# Altium PCB Edison_arduino_5_0826.PcbDoc (part 6 of 6)
Units mm, origin at the board's own origin, x right, y up, seen from the top; angles counter-clockwise.
Board outline 122.25 x 72.01 mm, 4 copper layers (TOP, GND, PWR_GND, BOTTOM), stack 1.567 mm thick; 365 components, 239 nets, 1187 pads, 660 vias.
Unrouted connection lines stored in the file: 40.
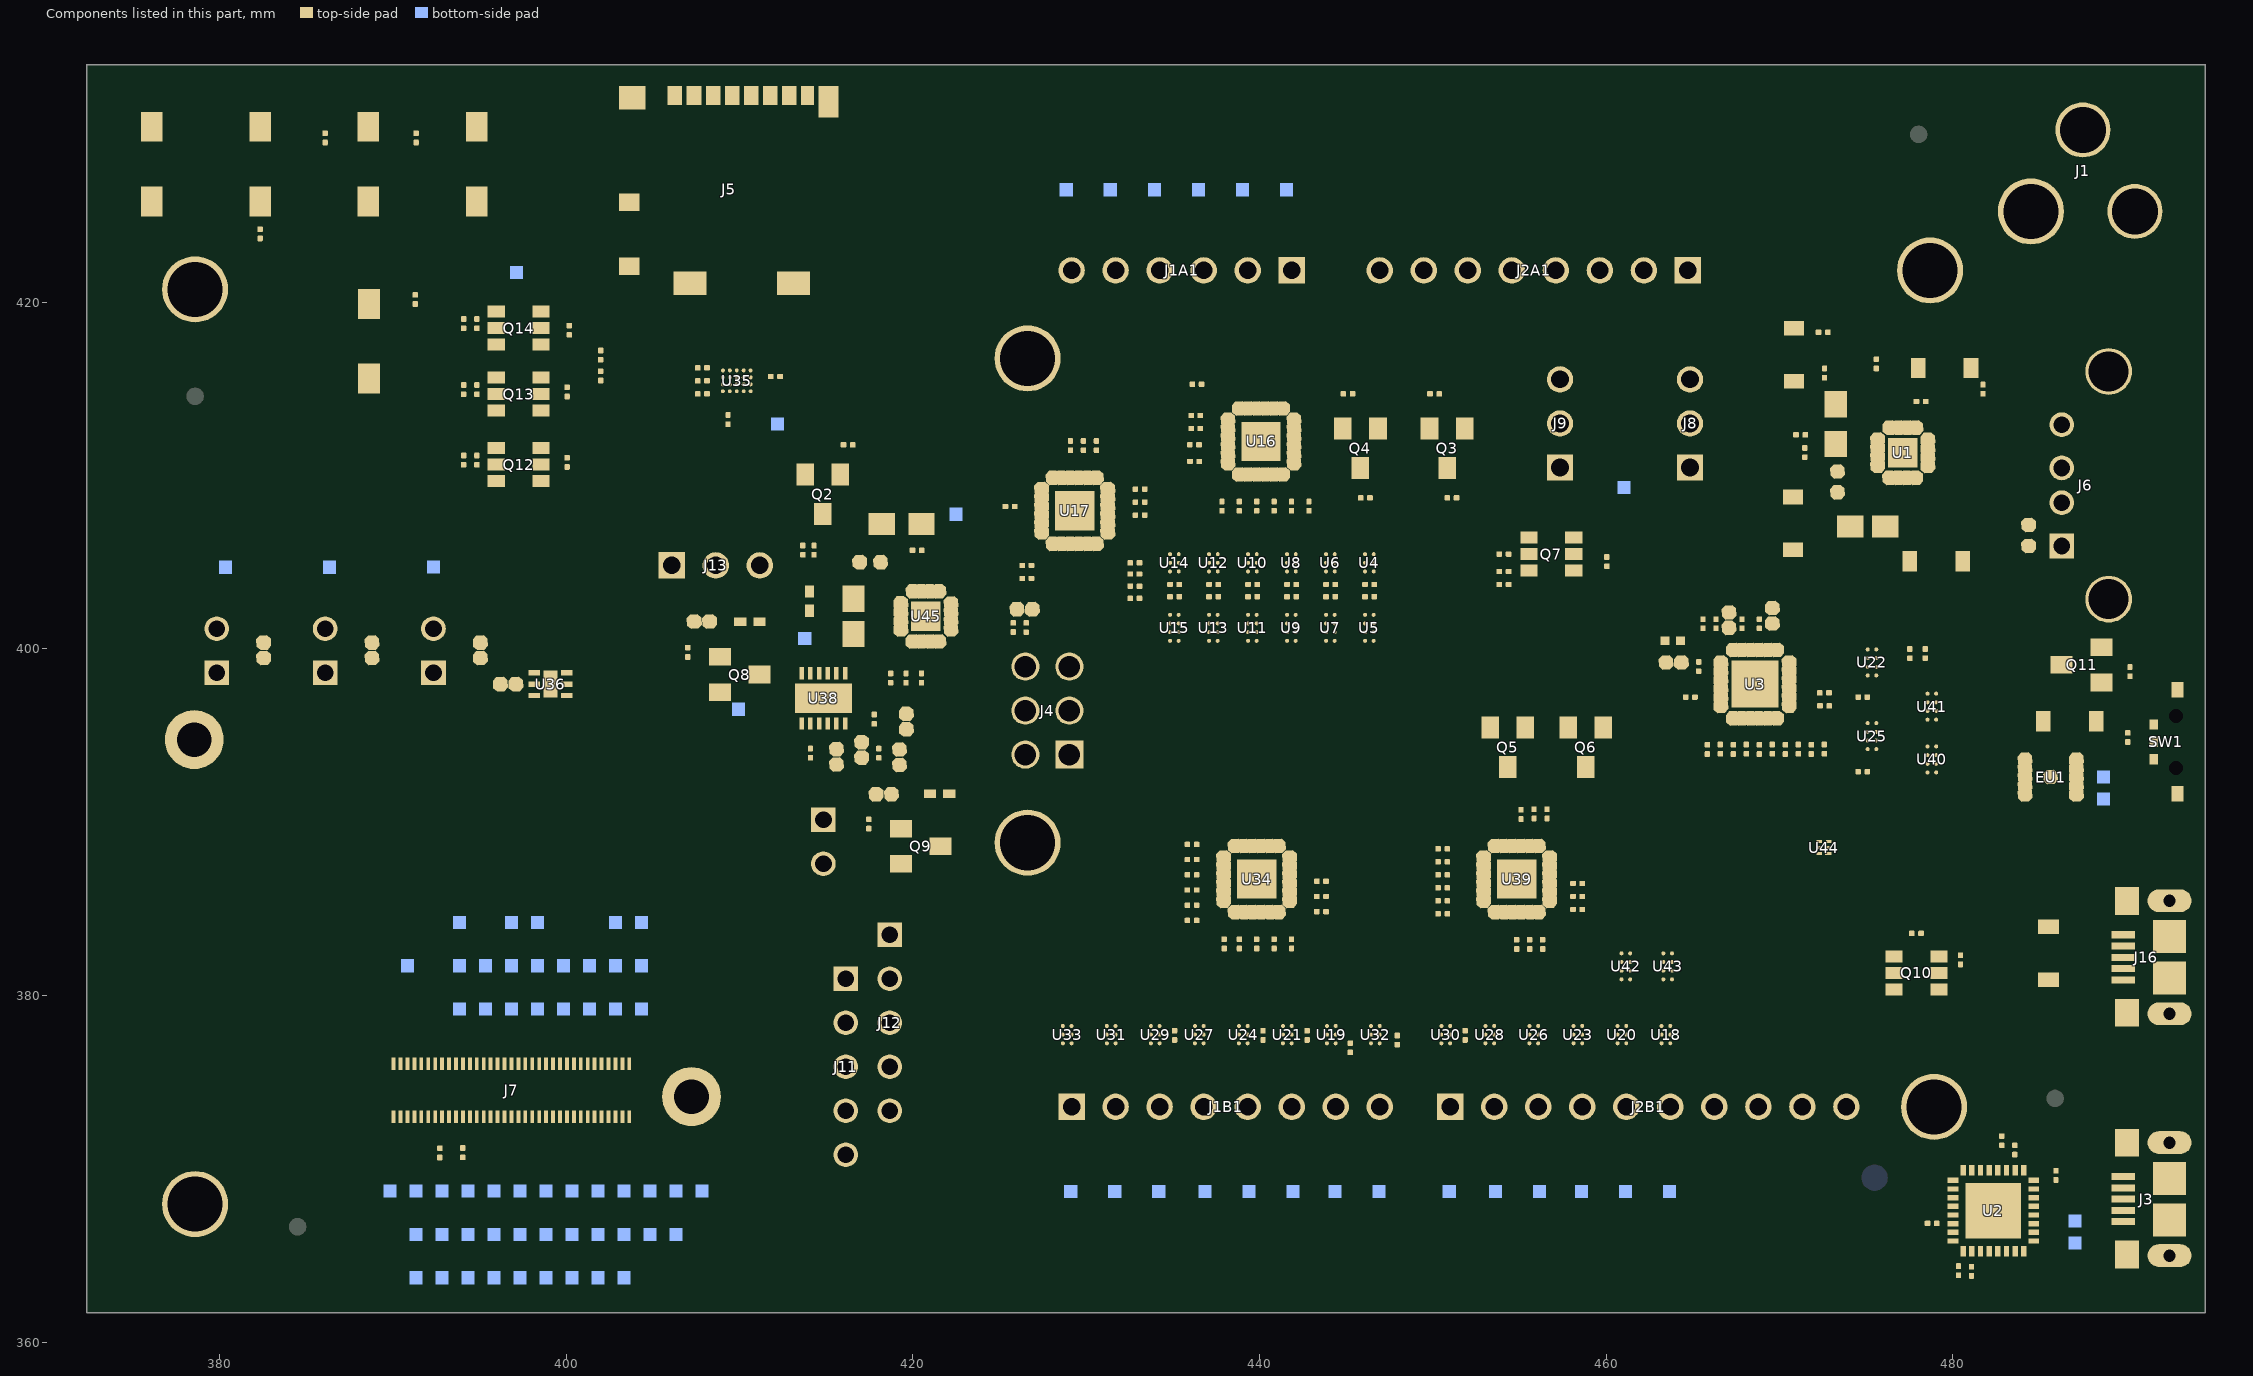
[diagram p8: the components of this part, seen from the top]

## Silkscreen, mask and mechanical layers (free items; w line width, h text height) (continued)
OUTLINE:
  lines w0.025: 395.582,433.53 405.585,433.53 ; 372.339,361.721 372.339,433.705 494.563,433.705 494.563,361.721 372.339,361.721
  lines w0.381: 135.026,332.816 147.726,332.816 ; 135.026,332.816 147.726,332.816 ; 135.026,332.816 147.726,332.816 ; 135.026,472.516 147.726,472.516 ; 135.026,472.516 147.726,472.516 ; 135.026,472.516 147.726,472.516 ; 255.676,53.416 255.676,66.116 ; 255.676,53.416 255.676,66.116 ; 255.676,53.416 255.676,66.116 ; 255.676,599.516 255.676,612.216 ; 255.676,599.516 255.676,612.216 ; 255.676,599.516 255.676,612.216 ; 363.626,53.416 363.626,66.116 ; 363.626,53.416 363.626,66.116 ; 363.626,53.416 363.626,66.116 ; 363.626,599.516 363.626,612.216 ; 363.626,599.516 363.626,612.216 ; 363.626,599.516 363.626,612.216 ; 471.576,53.416 471.576,66.116 ; 471.576,53.416 471.576,66.116 ; 471.576,53.416 471.576,66.116 ; 471.576,599.516 471.576,612.216 ; 471.576,599.516 471.576,612.216 ; 471.576,599.516 471.576,612.216 ; 579.526,53.416 579.526,66.116 ; 579.526,53.416 579.526,66.116 ; 579.526,53.416 579.526,66.116 ; 579.526,599.516 579.526,612.216 ; 579.526,599.516 579.526,612.216 ; 579.526,599.516 579.526,612.216 ; 687.476,53.416 687.476,66.116 ; 687.476,53.416 687.476,66.116 ; 687.476,53.416 687.476,66.116 ; 687.476,599.516 687.476,612.216 ; 687.476,599.516 687.476,612.216 ; 687.476,599.516 687.476,612.216 ; 795.426,53.416 795.426,66.116 ; 795.426,53.416 795.426,66.116 ; 795.426,53.416 795.426,66.116 ; 795.426,599.516 795.426,612.216 ; 795.426,599.516 795.426,612.216 ; 795.426,599.516 795.426,612.216 ; 903.376,53.416 903.376,66.116 ; 903.376,53.416 903.376,66.116 ; 903.376,53.416 903.376,66.116 ; 903.376,599.516 903.376,612.216 ; 903.376,599.516 903.376,612.216 ; 903.376,599.516 903.376,612.216 ; 985.926,193.116 998.626,193.116 ; 985.926,193.116 998.626,193.116 ; 985.926,193.116 998.626,193.116 ; 985.926,332.816 998.626,332.816 ; 985.926,332.816 998.626,332.816 ; 985.926,332.816 998.626,332.816 ; 985.926,472.516 998.626,472.516 ; 985.926,472.516 998.626,472.516 ; 985.926,472.516 998.626,472.516
  lines w1.27: 145.186,331.546 147.726,332.816 ; 145.186,331.546 145.186,334.086 ; 145.186,331.546 147.726,332.816 ; 145.186,331.546 145.186,334.086 ; 145.186,331.546 147.726,332.816 ; 145.186,331.546 145.186,334.086 ; 145.186,334.086 147.726,332.816 ; 145.186,334.086 147.726,332.816 ; 145.186,334.086 147.726,332.816 ; 147.726,66.116 147.726,599.516 ; 147.726,66.116 985.926,66.116 ; 147.726,66.116 147.726,599.516 ; 147.726,66.116 985.926,66.116 ; 147.726,66.116 147.726,599.516 ; 147.726,66.116 985.926,66.116 ; 147.726,575.386 206.146,575.386 ; 147.726,575.386 206.146,575.386 ; 147.726,575.386 206.146,575.386 ; 147.726,599.516 985.926,599.516 ; 147.726,599.516 985.926,599.516 ; 147.726,599.516 985.926,599.516 ; 206.146,575.386 206.146,599.516 ; 206.146,575.386 206.146,599.516 ; 206.146,575.386 206.146,599.516 ; 578.256,63.576 580.796,63.576 ; 578.256,63.576 579.526,66.116 ; 578.256,63.576 580.796,63.576 ; 578.256,63.576 579.526,66.116 ; 578.256,63.576 580.796,63.576 ; 578.256,63.576 579.526,66.116 ; 578.256,602.056 579.526,599.516 ; 578.256,602.056 580.796,602.056 ; 578.256,602.056 579.526,599.516 ; 578.256,602.056 580.796,602.056 ; 578.256,602.056 579.526,599.516 ; 578.256,602.056 580.796,602.056 ; 579.526,66.116 580.796,63.576 ; 579.526,66.116 580.796,63.576 ; 579.526,66.116 580.796,63.576 ; 579.526,599.516 580.796,602.056 ; 579.526,599.516 580.796,602.056 ; 579.526,599.516 580.796,602.056 ; 985.926,66.116 985.926,599.516 ; 985.926,66.116 985.926,599.516 ; 985.926,66.116 985.926,599.516 ; 985.926,332.816 988.466,334.086 ; 985.926,332.816 988.466,331.546 ; 985.926,332.816 988.466,334.086 ; 985.926,332.816 988.466,331.546 ; 985.926,332.816 988.466,334.086 ; 985.926,332.816 988.466,331.546 ; 988.466,331.546 988.466,334.086 ; 988.466,331.546 988.466,334.086 ; 988.466,331.546 988.466,334.086
  text "8" at 194.208,603.326 h4.44
  text "8" at 194.208,603.326 h4.44
  text "8" at 194.208,603.326 h4.44
  text "7" at 307.238,603.326 h4.44
  text "7" at 307.238,603.326 h4.44
  text "7" at 307.238,603.326 h4.44
  text "6" at 416.458,603.326 h4.44
  text "6" at 416.458,603.326 h4.44
  text "6" at 416.458,603.326 h4.44
  text "5" at 524.408,603.326 h4.44
  text "5" at 524.408,603.326 h4.44
  text "5" at 524.408,603.326 h4.44
  text "4" at 633.628,603.326 h4.44
  text "4" at 633.628,603.326 h4.44
  text "4" at 633.628,603.326 h4.44
  text "3" at 740.308,603.326 h4.44
  text "3" at 740.308,603.326 h4.44
  text "3" at 740.308,603.326 h4.44
  text "2" at 849.528,603.326 h4.44
  text "2" at 849.528,603.326 h4.44
  text "2" at 849.528,603.326 h4.44
  text "1" at 944.778,603.326 h4.44
  text "1" at 944.778,603.326 h4.44
  text "1" at 944.778,603.326 h4.44
  text "THIS DRAWING CONTAINS INFORMATION" at 148.996,596.341 h1.6
  text "THIS DRAWING CONTAINS INFORMATION" at 148.996,596.341 h1.6
  text "THIS DRAWING CONTAINS INFORMATION" at 148.996,596.341 h1.6
  text "WHICH IS THE PROPRIETARY PROPERTY" at 148.996,593.166 h1.6
  text "WHICH IS THE PROPRIETARY PROPERTY" at 148.996,593.166 h1.6
  text "WHICH IS THE PROPRIETARY PROPERTY" at 148.996,593.166 h1.6
  text "OF INTEL CORPORATION. THIS DRAWING" at 148.996,589.991 h1.6
  text "OF INTEL CORPORATION. THIS DRAWING" at 148.996,589.991 h1.6
  text "OF INTEL CORPORATION. THIS DRAWING" at 148.996,589.991 h1.6
  text "IS RECEIVED IN CONFIDENCE AND ITS" at 148.996,586.816 h1.6
  text "IS RECEIVED IN CONFIDENCE AND ITS" at 148.996,586.816 h1.6
  text "IS RECEIVED IN CONFIDENCE AND ITS" at 148.996,586.816 h1.6
  text "CONTENTS MAY NOT BE DISCLOSED WITH-" at 148.996,583.641 h1.6
  text "CONTENTS MAY NOT BE DISCLOSED WITH-" at 148.996,583.641 h1.6
  text "CONTENTS MAY NOT BE DISCLOSED WITH-" at 148.996,583.641 h1.6
  text "OUT THE PRIOR WRITTEN CONSENT OF" at 148.996,580.466 h1.6
  text "OUT THE PRIOR WRITTEN CONSENT OF" at 148.996,580.466 h1.6
  text "OUT THE PRIOR WRITTEN CONSENT OF" at 148.996,580.466 h1.6
  text "INTEL CORPORATION." at 148.996,577.291 h1.6
  text "INTEL CORPORATION." at 148.996,577.291 h1.6
  text "INTEL CORPORATION." at 148.996,577.291 h1.6
  text "D" at 139.598,536.016 h4.44
  text "D" at 139.598,536.016 h4.44
  text "D" at 139.598,536.016 h4.44
  text "D" at 990.498,536.016 h4.44
  text "D" at 990.498,536.016 h4.44
  text "D" at 990.498,536.016 h4.44
  text "C" at 139.598,398.856 h4.44
  text "C" at 139.598,398.856 h4.44
  text "C" at 139.598,398.856 h4.44
  text "C" at 990.498,398.856 h4.44
  text "C" at 990.498,398.856 h4.44
  text "C" at 990.498,398.856 h4.44
  text "B" at 139.598,261.696 h4.44
  text "B" at 139.598,261.696 h4.44
  text "B" at 139.598,261.696 h4.44
  text "B" at 990.498,261.696 h4.44
  text "B" at 990.498,261.696 h4.44
  text "B" at 990.498,261.696 h4.44
  text "A" at 139.598,125.806 h4.44
  text "A" at 139.598,125.806 h4.44
  text "A" at 139.598,125.806 h4.44
  text "A" at 990.498,125.806 h4.44
  text "A" at 990.498,125.806 h4.44
  text "A" at 990.498,125.806 h4.44
  text "8" at 194.208,58.496 h4.44
  text "8" at 194.208,58.496 h4.44
  text "8" at 194.208,58.496 h4.44
  text "7" at 307.238,58.496 h4.44
  text "7" at 307.238,58.496 h4.44
  text "7" at 307.238,58.496 h4.44
  text "6" at 416.458,58.496 h4.44
  text "6" at 416.458,58.496 h4.44
  text "6" at 416.458,58.496 h4.44
  text "5" at 524.408,58.496 h4.44
  text "5" at 524.408,58.496 h4.44
  text "5" at 524.408,58.496 h4.44
  text "4" at 633.628,58.496 h4.44
  text "4" at 633.628,58.496 h4.44
  text "4" at 633.628,58.496 h4.44
  text "3" at 740.308,58.496 h4.44
  text "3" at 740.308,58.496 h4.44
  text "3" at 740.308,58.496 h4.44
  text "2" at 849.528,58.496 h4.44
  text "2" at 849.528,58.496 h4.44
  text "2" at 849.528,58.496 h4.44
  text "1" at 944.778,58.496 h4.44
  text "1" at 944.778,58.496 h4.44
  text "1" at 944.778,58.496 h4.44
STACKUP:
  lines w0.025: 530.917,494.384 562.794,494.384 ; 531.044,470.381 562.921,470.381 ; 532.797,485.824 532.797,486.282 532.822,494.384 ; 532.804,478.636 532.804,470.407 ; 552.926,457.186 579.85,457.186 ; 532.804,470.407 533.566,472.947 532.042,472.947 532.804,470.407 ; 532.822,494.384 532.06,491.844 533.584,491.844 532.822,494.384
  lines w0.152: 555.047,475.576 561.905,475.576 ; 555.047,482.446 561.905,482.446 ; 555.047,489.304 561.905,489.304 ; 563.429,474.687 563.937,475.703 ; 563.429,481.557 563.937,482.573 ; 563.429,488.415 563.937,489.431 ; 563.683,477.239 563.683,480.668 ; 564.064,476.084 564.572,477.227 ; 564.064,482.954 564.572,484.097 ; 564.064,489.812 564.572,490.955 ; 564.318,473.798 565.715,477.227 ; 564.318,480.668 565.715,484.097 ; 564.318,487.526 565.715,490.955 ; 565.588,473.798 566.985,477.227 ; 565.588,480.668 566.985,484.097 ; 565.588,487.526 566.985,490.955 ; 566.858,473.798 568.255,477.227 ; 566.858,480.668 568.255,484.097 ; 566.858,487.526 568.255,490.955 ; 568.128,473.798 569.525,477.227 ; 568.128,480.668 569.525,484.097 ; 568.128,487.526 569.525,490.955 ; 569.398,473.798 570.795,477.227 ; 569.398,480.668 570.795,484.097 ; 569.398,487.526 570.795,490.955 ; 570.668,473.798 572.065,477.227 ; 570.668,480.668 572.065,484.097 ; 570.668,487.526 572.065,490.955 ; 571.938,473.798 573.335,477.227 ; 571.938,480.668 573.335,484.097 ; 571.938,487.526 573.335,490.955 ; 573.208,473.798 574.605,477.227 ; 573.208,480.668 574.605,484.097 ; 573.208,487.526 574.605,490.955 ; 574.478,473.798 575.875,477.227 ; 574.478,480.668 575.875,484.097 ; 574.478,487.526 575.875,490.955 ; 575.748,473.798 577.145,477.227 ; 575.748,480.668 577.145,484.097 ; 575.748,487.526 577.145,490.955 ; 577.018,473.798 578.415,477.227 ; 577.018,480.668 578.415,484.097 ; 577.018,487.526 578.415,490.955 ; 578.288,473.798 579.685,477.227 ; 578.288,480.668 579.685,484.097 ; 578.288,487.526 579.685,490.955 ; 579.558,473.798 580.955,477.227 ; 579.558,480.668 580.955,484.097 ; 579.558,487.526 580.955,490.955 ; 580.828,473.798 582.225,477.227 ; 580.828,480.668 582.225,484.097 ; 580.828,487.526 582.225,490.955 ; 582.098,473.798 583.495,477.227 ; 582.098,480.668 583.495,484.097 ; 582.098,487.526 583.495,490.955 ; 583.368,473.798 584.765,477.227 ; 583.368,480.668 584.765,484.097 ; 583.368,487.526 584.765,490.955 ; 584.638,473.798 586.035,477.227 ; 584.638,480.668 586.035,484.097 ; 584.638,487.526 586.035,490.955 ; 585.908,473.798 587.305,477.227 ; 585.908,480.668 587.305,484.097 ; 585.908,487.526 587.305,490.955 ; 587.178,473.798 588.575,477.227 ; 587.178,480.668 588.575,484.097 ; 587.178,487.526 588.575,490.955 ; 588.448,473.798 589.845,477.227 ; 588.448,480.668 589.845,484.097 ; 588.448,487.526 589.845,490.955 ; 589.718,473.798 591.115,477.227 ; 589.718,480.668 591.115,484.097 ; 589.718,487.526 591.115,490.955 ; 590.988,473.798 592.385,477.227 ; 590.988,480.668 592.385,484.097 ; 590.988,487.526 592.385,490.955 ; 592.258,473.798 593.655,477.227 ; 592.258,480.668 593.655,484.097 ; 592.258,487.526 593.655,490.955 ; 593.782,477.239 593.782,480.668 ; 602.901,471.842 596.043,471.842 ; 603.053,479.017 596.195,479.017 ; 603.053,485.875 596.195,485.875 ; 603.053,492.733 596.195,492.733 ; 561.905,475.576 558.349,474.179 558.349,476.973 561.905,475.576 ; 561.905,482.446 558.349,481.049 558.349,483.843 561.905,482.446 ; 561.905,489.304 558.349,487.907 558.349,490.701 561.905,489.304 ; 563.683,473.798 563.683,470.369 593.782,470.369 593.782,473.798 ; 563.683,473.798 593.782,473.798 ; 563.683,473.798 563.175,475.703 564.191,475.703 563.683,477.227 593.782,477.227 594.29,475.703 593.274,475.703 593.782,473.798 ; 563.683,480.668 593.782,480.668 ; 563.683,480.668 563.175,482.573 564.191,482.573 563.683,484.097 ; 563.683,484.097 593.782,484.097 ; 563.683,484.097 563.683,487.526 ; 563.683,487.526 593.782,487.526 ; 563.683,487.526 563.175,489.431 564.191,489.431 563.683,490.955 ; 563.683,490.955 593.782,490.955 ; 563.683,490.955 563.683,494.384 593.782,494.384 593.782,490.955 ; 593.782,480.668 593.274,482.573 594.29,482.573 593.782,484.097 ; 593.782,484.097 593.782,487.526 ; 593.782,487.526 593.274,489.431 594.29,489.431 593.782,490.955 ; 596.043,471.842 599.599,470.445 599.599,473.239 596.043,471.842 ; 596.195,479.017 599.751,477.62 599.751,480.414 596.195,479.017 ; 596.195,485.875 599.751,484.478 599.751,487.272 596.195,485.875 ; 596.195,492.733 599.751,491.336 599.751,494.13 596.195,492.733
  text "LAYER 1 (0.5 OZ)" at 604.831,491.971 h1.91
  text "SIGNAL" at 544.379,491.59 h1.91
  text ".06731" at 543.261,488.263 h1.91
  text "PLANE" at 544.252,484.986 h1.91
  text "LAYER 2 (1.0 OZ)" at 604.704,484.986 h1.91
  text "1.27" at 545.395,481.405 h1.91
  text "1.56718MM" at 522.408,480.617 h1.91
  text "LAYER 3 (1.0 OZ)" at 604.755,478.255 h1.91
  text "PLANE" at 544.201,478.154 h1.91
  text ".06731" at 542.677,474.572 h1.91
  text "SIGNAL" at 544.303,471.258 h1.91
  text "LAYER 4 (0.5 OZ)" at 604.602,470.953 h1.91
  text "LAYER STACKING" at 553.307,458.202 h1.91
  text "SCALE: NONE" at 556.66,454.519 h1.91
ALL_LAYERS_TL:
  lines w0.381: 373.065,271.424 487.365,271.424 ; 373.065,276.504 487.365,276.504 ; 393.385,258.724 393.385,271.424 ; 393.385,263.804 434.025,263.804 ; 413.705,263.804 413.705,271.424 ; 434.025,258.724 434.025,271.424 ; 474.665,258.724 474.665,271.424 ; 373.065,258.724 487.365,258.724 487.365,291.744 373.065,291.744 373.065,258.724
  text "MASTER" at 376.24,294.284 h3.17
  text "08/11/14" at 462.396,294.015 h3.17
  text "TITLE" at 375.351,287.934 h1.6
  text "EDISON ARDUINO" at 424.386,284.492 h3.17
  text "SHEET" at 373.827,274.218 h1.6
  text "TITLE" at 373.827,272.186 h1.6
  text "DOCUMENT NUMBER" at 442.915,268.249 h1.6
  text "REV" at 478.475,268.249 h1.6
  text "SCALE 1:1" at 395.925,266.979 h1.6
  text "LAYER" at 414.975,266.344 h1.6
  text "01" at 479.745,263.169 h2.54
  text "INTEL" at 373.065,262.534 h3.17
  text "H40482-005" at 442.28,262.534 h2.54
  text "SHEET" at 395.163,260.248 h1.6
  text "OF" at 415.61,259.994 h1.6
ASSY_BOTTOM:
  lines w0.025: 379.187,305.549 471.262,305.549
  text "SECONDARY SIDE" at 381.079,308.622 h6.35
ASSY_TOP:
  lines w0.025: 822.02,440.106 970.229,440.106 ; 822.147,444.932 970.356,444.932 ; 822.147,450.266 970.356,450.266 ; 822.147,455.219 970.356,455.219
  lines w0.508: 781.025,586.156 985.495,586.156 ; 781.025,592.506 985.495,592.506 ; 781.025,598.856 781.025,583.616 781.025,578.536 985.495,578.536 ; 781.075,578.891 781.101,571.043 985.571,571.043 ; 794.995,578.536 794.995,586.156 794.995,592.506 ; 795.071,571.043 795.071,578.663 ; 855.955,578.536 855.955,586.156 855.955,592.506 ; 856.031,571.043 856.031,578.663 ; 881.355,578.536 881.355,586.156 881.355,592.506 ; 881.431,571.043 881.431,578.663 ; 899.135,578.536 899.135,586.156 899.135,592.506 ; 899.211,571.043 899.211,578.663 ; 924.535,578.536 924.535,586.156 924.535,592.506 ; 924.611,571.043 924.611,578.663 ; 942.315,578.536 942.315,586.156 942.315,592.506 ; 942.391,571.043 942.391,578.663 ; 967.715,578.536 967.715,586.156 967.715,592.506 ; 967.791,571.043 967.791,578.663
  text "REVISIONS" at 876.275,594.411 h2.39
  text "REV" at 784.835,588.061 h2.39
  text "DESCRIPTION" at 814.68,588.061 h2.39
  text "DFT" at 866.75,588.061 h2.39
  text "DATE" at 887.07,588.061 h2.39
  text "CHK" at 910.565,588.061 h2.39
  text "DATE" at 929.615,588.061 h2.39
  text "APVD" at 951.84,588.061 h2.39
  text "DATE" at 973.43,588.061 h2.39
  text "INITIAL RELEASE" at 798.043,581.457 h3.17
  text "08/11/14" at 882.879,581.381 h1.91
  text "W.GILLMER" at 862.121,581.231 h1.91
  text "01" at 786.6,580.525 h3.17
  text "NOTES: UNLESS OTHERWISE SPECIFIED:" at 811.682,538.861 h3.17
  text "1.  ITEM IDENIFICAITON NUMBER IS PARENT LINE ITEM" at 811.682,531.241 h3.17
  text "NUMBER ON ENGINEERING PARTS LIST." at 811.682,526.161 h3.17
  text "2.  THIS DOCUMENT ALSO EXISTS ON ELECTRONIC MEDIA." at 811.682,518.541 h3.17
  text "3.  WORKMANSHIP PER INTEL 99-0007-001." at 811.682,510.921 h3.17
  text "4   MARK \"PBA\" AND ITEM IDENTIFICATION NUMBER PER" at 811.682,503.301 h3.17
  text "INTEL MARKING STANDARD 164997 APPROXIMATELY" at 811.682,498.221 h3.17
  text "WHERE SHOWN, PRIMARY SIDE." at 811.682,493.141 h3.17
  text "5   MARK ASSEMBLY VENDOR IDENTIFICATION PER INTEL" at 811.682,485.521 h3.17
  text "MARKING STANDARD 164997 APPROXIMATELY WHERE" at 811.682,480.441 h3.17
  text "SHOWN, SECONDARY SIDE." at 811.682,475.361 h3.17
  text "6   MARK SERIAL NUMBER PER INTEL MARKING STANDARD" at 811.555,466.471 h3.17
  text "164997 APPROXIMATELY WHERE SHOWN, PRIMARY SIDE." at 811.555,461.391 h3.17
  text "7   ONLY SITES OTHER THAN USA & PUERTO RICO SHALL" at 811.555,453.771 h3.17
  text "MARK \"MADE IN (COUNTRY OF ORIGIN)\" PER INTEL" at 811.555,448.691 h3.17
  text "MARKING STANDARD 164997 APPROXIMATELY WHERE" at 811.555,443.611 h3.17
  text "SHOWN, PRIMARY SIDE." at 811.555,438.531 h3.17
  text "8.  SOCKET REFERENCE DESIGNATORS ON ENGINEERING" at 811.555,430.911 h3.17
  text "PARTS LIST ARE THE COMPONENT REFERENCE" at 811.555,425.831 h3.17
  text "DESIGNATORS PREFIXED WITH \"X\"." at 811.555,420.751 h3.17
  text "9   MARK PRODUCT CODE PER INTEL MARKING STANDARD" at 811.555,413.131 h3.17
  text "164997 APPROXIMATELY WHERE SHOWN, PRIMARY SIDE." at 811.555,408.051 h3.17
  text "SELECT APPROPRIATE PRODUCT CODE PREFIX PER" at 811.555,402.971 h3.17
  text "SITE POLICY." at 811.555,397.891 h3.17
  text "10. PRODUCT CODE IS PER ENGINEERING PARTS LIST." at 811.555,390.271 h3.17
  text "PRIMARY SIDE" at 389.156,307.662 h6.35
  text "jeirvin" at 813.283,117.373 h1.91
  text "04/10/14" at 837.514,117.145 h1.91
  text "PBA, EDISON ARDUINO" at 878.408,93.904 h4.44
  text "H40482-005" at 918.185,76.124 h3.17
  text "01" at 975.881,76.055 h4.78
  text "1" at 961.111,68.656 h3.17
  text "1" at 976.859,68.656 h3.17
  text "1:1" at 873.989,68.25 h3.17
VIA_PLUG_TOP:
  lines w0.025: 408.521,415.95 408.521,421.411 415.125,421.411 415.125,415.95 408.521,415.95 ; 408.749,454.279 408.749,459.74 415.353,459.74 415.353,454.279 408.749,454.279 ; 408.876,448.285 408.876,453.746 415.481,453.746 415.481,448.285 408.876,448.285 ; 510.476,436.448 510.476,441.909 517.081,441.909 517.081,436.448 510.476,436.448
  lines w0.127: 415.239,418.77 443.332,409.905 441.909,411.023 441.604,409.804 443.332,409.88 ; 445.719,430.098 448.335,431.571 447.243,432.664 445.643,430.098 454.228,438.683 510.184,438.683 ; 517.271,439.141 518.77,439.141 521.183,436.728 521.183,428.777 521.64,430.276 520.7,430.251 521.157,428.828
  text "1. TOP VIA PLUG LAYER: ALL VIAS TO BE PLUGGED FROM TOP SIDE WITH SOLDER MASK EXCLUDING VIAS DEFINED IN BOTTOM VIA PLUG LAYER." at 410.718,456.006 h2.03
  text "2. VIA PLUGS NEED TO BE ADDED TO THE THERMAL PADS AREAS AS SHOWN." at 410.515,450.266 h2.03
  text "2." at 512.902,438.582 h2.03
  text "1." at 410.794,417.906 h2.03
TOOLING_CORNERS:
  lines w0.254: 372.212,367.944 372.212,361.594 378.562,361.594 ; 372.212,427.482 372.212,433.832 378.562,433.832 ; 488.34,361.594 494.69,361.594 494.69,367.944 ; 488.34,433.832 494.69,433.832 494.69,427.482
PRI_LEGEND_LABEL:
  drawing of 3495 lines, arcs and shapes, not listed
ASSEMBLY_BOTTOM:
  drawing of 3639 lines, arcs and shapes, not listed
  text "51" at 441.361,487.726 h1.57
  text "C4L1" at 536.316,487.421 h1.57
  text "C8" at 557.947,485.475 h1.57
  text "C9" at 548.853,485.272 h1.57
  text "LB1" at 396.443,483.128 h2.54
  text "R4L1" at 528.663,482.595 h1.57 r90
  text "R4L2" at 535.554,481.985 h1.57 r90
  text "PCIE" at 504.393,480.461 h2.03
  text "R1L2" at 430.449,477.362 h1.57 r90
  text "C7" at 557.845,477.144 h1.57
  text "C6" at 548.65,476.789 h1.57
  text "J2L1" at 463.824,476.55 h1.57 r180
  text "R1L10" at 398.958,475.991 h1.57
  text "TRST" at 429.176,475.127 h2.03 r90
  text "TDI" at 424.198,474.975 h2.03 r90
  text "TD0" at 421.505,474.924 h2.03 r90
  text "TMS" at 416.273,474.873 h2.03 r90
  text "TCK" at 418.915,474.873 h2.03 r90
  text "R1L1" at 412.941,471.52 h1.57 r90
  text "R1L3" at 426.944,466.644 h1.57
  text "R1L7" at 420.695,466.034 h1.57
  text "LB3" at 497.637,466.034 h2.03
  text "R2L1" at 433.344,465.932 h1.57
  text "2" at 491.266,465.882 h1.57
  text "52" at 439.075,465.729 h1.57
  text "R1L5" at 416.784,465.17 h1.57 r90
  text "R4L11" at 538.175,464.002 h1.57
  text "MAC ADDRESS" at 486.461,463.392 h2.03
  text "R4L9" at 533.522,462.326 h1.57 r90
  text "C3L1" at 527.07,461.513 h1.57
  text "R4L10" at 534.873,460.141 h1.57 r90
  text "R2L3" at 460.218,459.887 h1.57 r90
  text "R3L1" at 522.448,459.379 h1.57 r90
  text "U1L1" at 389.301,457.906 h1.57
  text "B" at 396.067,457.67 h1.57 r180
  text "Y3L1" at 495.981,457.347 h1.57
  text "R4L12" at 541.122,457.296 h1.57 r90
  text "25MHZ" at 483.311,456.265 h2.03
  text "C1L1" at 378.582,456.077 h1.57
  text "A" at 396.057,455.78 h1.57 r180
  text "2" at 393.586,454.175 h1.57 r180
  text "2" at 393.586,454.175 h1.57 r180
  text "1" at 394.586,454.175 h1.57 r180
  text "1" at 394.586,454.175 h1.57 r180
  text "C1L2" at 378.328,453.639 h1.57
  text "R2L2" at 467.38,453.385 h1.57
  text "C4L2" at 538.348,452.572 h1.57 r90
  text "U1L4" at 399.867,452.521 h1.57
  text "C1L3" at 380.716,451.744 h1.57
  text "R2L14" at 433.443,451.404 h1.57 r90
  text "C3L5" at 479.776,450.743 h1.57
  text "C2L3" at 436.41,450.388 h1.57 r90
  text "R1L11" at 378.765,449.458 h1.57
  text "R4L13" at 545.44,448.66 h1.57 r90
  text "R4L21" at 553.364,448.61 h1.57 r90
  text "R4L14" at 547.98,448.559 h1.57 r90
  text "R2L21" at 474.574,448.406 h1.57
  text "C3L6" at 503.55,448.406 h1.57
  text "R4L15" at 550.621,448.305 h1.57 r90
  text "R4L16" at 556.006,447.898 h1.57 r90
  text "C3L2" at 518.719,447.695 h1.57 r90
  text "R4L17" at 560.934,447.695 h1.57 r90
  text "R4L20" at 558.444,447.644 h1.57 r90
  text "R4L18" at 563.372,447.543 h1.57 r90
  text "1" at 391.655,447.464 h1.57
  text "1" at 391.655,447.464 h1.57
  text "2" at 392.656,447.464 h1.57
  text "2" at 392.656,447.464 h1.57
  text "R2L4" at 444.774,447.477 h1.57
  text "R2L15" at 426.636,446.476 h1.57 r90
  text "C4L3" at 540.228,446.324 h1.57 r90
  text "R3L2" at 498.521,446.07 h1.57
  text "A" at 390.185,445.859 h1.57
  text "C2L2" at 425.133,445.714 h1.57 r90
  text "C3L9" at 482.976,445.663 h1.57 r90
  text "Q1L1" at 413.563,445.562 h1.57
  text "B" at 401.3,445.376 h1.57 r180
  text "R2L5" at 453.207,445.358 h1.57
  text "U1L3" at 384.221,444.835 h1.57
  text "C3L8" at 478.404,444.698 h1.57 r90
  text "C3L10" at 484.53,444.495 h1.57 r90
  text "R2L10" at 470.205,444.139 h1.57 r90
  text "R3L14" at 488.696,444.139 h1.57 r90
  text "R3L10" at 490.576,444.088 h1.57 r90
  text "R3L3" at 487.446,443.987 h1.57 r90
  text "R6" at 409.103,443.921 h1.57
  text "B" at 390.327,443.413 h1.57
  text "A" at 401.35,443.344 h1.57 r180
  text "R2L6" at 443.86,443.326 h1.57
  text "C3L3" at 526.491,443.225 h1.57
  text "R2L9" at 473.324,442.666 h1.57 r90
  text "R3L13" at 497.586,442.056 h1.57
  text "C3L4" at 523.291,441.802 h1.57 r90
  text "2" at 398.564,441.424 h1.57 r180
  text "2" at 398.564,441.424 h1.57 r180
  text "1" at 399.565,441.424 h1.57 r180
  text "1" at 399.565,441.424 h1.57 r180
  text "C3L7" at 526.39,441.193 h1.57
  text "U1L2" at 392.501,441.142 h1.57
  text "R2L7" at 443.657,441.142 h1.57
  text "R2L19" at 433.037,440.99 h1.57 r90
  text "C2L14" at 435.729,440.837 h1.57 r90
  text "R2L20" at 424.586,440.162 h1.57
  text "R2L11" at 465.328,439.466 h1.57 r90
  text "R2L8" at 443.657,439.11 h1.57
  text "R2L13" at 454.304,438.653 h1.57
  text "R3L12" at 499.821,438.297 h1.57
  text "R5" at 394.421,437.114 h1.57
  text "R2L12" at 442.62,436.722 h1.57
  text "R3L11" at 484.48,435.656 h1.57
  text "Q1L2" at 397.713,434.538 h1.57
  text "R2L16" at 439.725,434.487 h1.57
  text "R3M22" at 411.023,434.269 h1.57
  text "R4L22" at 567.131,433.014 h1.57 r90
  text "R4L23" at 564.947,432.963 h1.57 r90
  text "C2L4" at 460.096,432.811 h1.57
  text "R2L17" at 439.776,432.491 h1.57
  text "R4L3" at 561.462,432.252 h1.57 r90
  text "R4L4" at 563.342,432.201 h1.57 r90
  text "C2L1" at 470.022,432.1 h1.57
  text "R4L5" at 569.844,432.1 h1.57 r90
  text "R4L6" at 572.13,432.1 h1.57 r90
  text "R4L7" at 574.568,431.998 h1.57 r90
  text "R4L8" at 576.753,431.795 h1.57 r90
  text "R3L9" at 502.991,430.779 h1.57
  text "C2L6" at 460.197,430.576 h1.57
  text "C3L12" at 516.687,430.22 h1.57
  text "C2L5" at 465.298,428.696 h1.57
  text "R3L8" at 502.991,428.645 h1.57
  text "C2L7" at 429.585,427.767 h1.57
  text "C3L13" at 472.694,427.477 h1.57
  text "R4L19" at 543.966,427.375 h1.57 r90
  text "C3L16" at 516.89,426.715 h1.57
  text "C2L8" at 447.192,426.004 h1.57 r90
  text "C2L13" at 472.389,425.191 h1.57
  text "C2L10" at 459.232,424.53 h1.57 r90
  text "C2L9" at 421.64,423.957 h1.57
  text "C3L23" at 516.687,423.616 h1.57
  text "D" at 464.868,423.253 h0.41
  text "5" at 573.773,422.298 h1.57 r180
  text "C" at 464.868,422.237 h0.41
  text "6" at 585.333,422.224 h1.57 r180
  text "U2L1" at 461.945,421.381 h1.57 r90
  text "B" at 464.868,421.236 h0.41
  text "C2L11" at 452.476,420.873 h1.57
  text "A" at 464.868,420.235 h0.41
  text "C2M5" at 435.801,420.212 h1.57 r90
  text "R2M3" at 433.649,420.111 h1.57 r90
  text "C2L12" at 439.141,420.045 h1.57
  text "2" at 466.138,419.019 h0.41
  text "1" at 467.139,419.019 h0.41
  text "R3L7" at 514.015,417.876 h1.57
  text "A" at 464.782,417.817 h0.41 r270
  text "B" at 465.783,417.817 h0.41 r270
  text "C" at 466.783,417.817 h0.41 r270
  text "D" at 467.799,417.817 h0.41 r270
  text "R2L18" at 470.357,417.723 h1.57 r90
  text "R2M1" at 428.943,417.418 h1.57 r90
  text "R3L6" at 502.94,417.368 h1.57
  text "A" at 479.298,416.91 h2.54
  text "2" at 463.563,416.547 h0.41 r270
  text "1" at 463.563,415.547 h0.41 r270
  text "C3M3" at 517.368,414.98 h1.57
  text "FB3M1" at 503.123,414.218 h1.57
  text "R2M5" at 475.305,413.151 h1.57 r90
  text "R2M2" at 439.745,412.491 h1.57
  text "U2M1" at 465.247,412.44 h1.57
  text "C3M5" at 487.548,411.932 h1.57
  text "2" at 585.518,411.632 h1.57 r180
  text "LB6V1" at 401.168,410.865 h2.03 r90
  text "A" at 568.3,410.459 h2.54
  text "C2M6" at 439.44,410.256 h1.57
  text "C3M4" at 509.727,409.748 h1.57
  text "C3M6" at 484.195,409.697 h1.57
  text "R2M6" at 431.77,408.732 h1.57 r90
  text "C4M1" at 535.351,408.732 h1.57
  text "C4M4" at 545.765,408.376 h1.57
  text "R2M7" at 461.64,407.97 h1.57 r45
  text "R1M1" at 383.865,407.766 h1.57 r90
  text "R3M1" at 479.776,407.563 h1.57
  text "R2M4" at 435.224,407.512 h1.57
  text "C3M8" at 498.572,406.547 h1.57
  text "R15" at 578.67,405.684 h1.57 r90
  text "L2M1" at 446.075,405.43 h1.57
  text "C3L11" at 554.025,405.176 h1.57
  text "R3L4" at 560.954,404.058 h1.57 r90
  text "C3L14" at 567.741,403.804 h1.57 r45
  text "R4M1" at 544.292,403.55 h1.57 r90
  text "R3M2" at 467.787,403.448 h1.57
  text "R2M9" at 454.02,402.432 h1.57 r45
  text "R3M9" at 488.429,401.569 h1.57 r90
  text "C4M2" at 537.535,401.416 h1.57 r90
  text "C4M3" at 535.452,401.315 h1.57 r90
  text "C1M1" at 396.616,401.264 h1.57
  text "R1M2" at 377.007,401.112 h1.57
  text "R3M5" at 480.284,400.807 h1.57
  text "R3M6" at 491.358,399.994 h1.57 r90
  text "C1M2" at 396.616,399.13 h1.57
  text "C3L15" at 552.247,398.826 h1.57
  text "R3M13" at 475.082,398.114 h1.57
  text "R2M11" at 447.091,398.013 h1.57
  text "R3M7" at 499.13,397.505 h1.57 r90
  text "R2M8" at 463.57,397.2 h1.57 r45
  text "C1M5" at 386.151,397.149 h1.57
  text "FB3L1" at 562.458,396.895 h1.57 r90
  text "C3L17" at 558.038,396.489 h1.57 r90
  text "C1M4" at 402.763,396.336 h1.57 r90
  text "R3M8" at 476.88,394.762 h1.57
  text "C3L19" at 540.156,394.406 h1.57
  text "C3L18" at 547.522,394.406 h1.57 r90
  text "R2M14" at 463.296,392.933 h1.57 r45
  text "FB1M1" at 380.695,392.577 h1.57 r90
  text "R3M11" at 495.808,392.526 h1.57
  text "C3M13" at 504.139,392.12 h1.57 r315
  text "C3L20" at 552.094,392.12 h1.57 r90
  text "C3M9" at 489.204,391.612 h1.57 r90
  text "R2M12" at 454.762,391.51 h1.57 r45
  text "C3L21" at 567.842,390.596 h1.57
  text "C3L22" at 558.292,390.342 h1.57
  text "C1M7" at 380.614,390.24 h1.57
  text "R2M13" at 442.265,390.088 h1.57 r45
  text "R2M10" at 445.364,389.834 h1.57 r45
  text "R3M10" at 477.266,389.174 h1.57 r90
  text "R3M14" at 474.167,389.072 h1.57 r90
  text "C3L27" at 534.467,388.818 h1.57 r90
  text "C3L25" at 536.6,388.767 h1.57 r90
  text "C1M6" at 400.324,388.462 h1.57
  text "12" at 435.366,387.243 h1.57
  text "C1M3" at 374.297,387.192 h1.57 r270
  text "C3L26" at 558.038,386.989 h1.57 r135
  text "R1M3" at 392.654,386.938 h1.57
  text "C3L24" at 546.1,386.634 h1.57 r90
  text "R1M6" at 399.237,386.43 h1.57
  text "7" at 406.481,385.77 h1.57
  text "C3L30" at 563.22,385.211 h1.57 r90
  text "C3L29" at 556.362,385.059 h1.57 r135
  text "C3M10" at 499.534,384.906 h1.57 r90
  text "C3L28" at 549.859,383.636 h1.57 r45
  text "R3M21" at 522.463,383.215 h1.57 r315
  text "R1M4" at 386.05,382.707 h1.57
  text "R1M7" at 376.093,382.062 h1.57
  text "LATCH" at 469.9,381.554 h1.57 r180
  text "C3M1" at 553.994,381.198 h1.57
  text "6" at 434.116,381.147 h1.57
  text "1" at 408.158,380.842 h1.57
  text "R1M5" at 386.151,380.523 h1.57
  text "R1M8" at 376.042,379.928 h1.57
  text "C1M8" at 393.314,379.674 h1.57 r90
  text "R1M9" at 375.991,377.794 h1.57
  text "C3M2" at 560.192,376.728 h1.57 r90
  text "C1M13" at 386.385,376.626 h1.57
  text "C1M9" at 397.226,376.372 h1.57 r90
  text "C1M10" at 400.914,375.966 h1.57 r90
  text "R1M10" at 374.498,375.712 h1.57
  text "R3M20" at 519.786,375.458 h1.57
  text "C1M14" at 388.214,373.273 h1.57
  text "R3M19" at 512.521,373.172 h1.57 r90
  text "R3M18" at 507.39,372.562 h1.57 r90
  text "R3M17" at 502.31,372.511 h1.57 r90
  text "R3M16" at 497.586,371.241 h1.57 r90
  text "C2M4" at 461.538,368.447 h1.57 r90
  text "R1M12" at 379.07,367.38 h1.57
  text "R8" at 395.031,367.111 h1.57
  text "L3M1" at 485.364,366.669 h1.57 r90
  text "R1B2" at 548.711,366.654 h1.57
  text "C2M7" at 477.114,366.212 h1.57 r90
  text "R4M10" at 566.166,366.11 h1.57 r90
  text "R4M9" at 569.031,365.806 h1.57 r90
  text "R1B1" at 533.065,365.791 h1.57
  text "R4M7" at 575.026,365.704 h1.57 r90
  text "R4M8" at 571.622,365.602 h1.57 r90
  text "R4M11" at 563.778,365.348 h1.57 r90
  text "R4M12" at 561.594,365.145 h1.57 r90
  text "L3M2" at 491.612,364.84 h1.57 r90
  text "C1M11" at 418.033,364.739 h1.57 r90
  text "R1M11" at 415.493,364.383 h1.57 r90
  text "C1M12" at 420.929,363.926 h1.57 r90
  text "R2M15" at 423.621,363.824 h1.57 r90
  text "C2M2" at 475.712,363.469 h1.57
  text "CR3M1" at 527.863,362.351 h1.57
  text "R3M15" at 518.363,362.148 h1.57
  text "8" at 542.94,362.097 h1.57 r270
  text "2" at 558.211,362.097 h1.57 r270
  text "C2M8" at 462.199,361.589 h1.57
  text "15" at 439.481,359.811 h1.57
  text "C3M12" at 495.554,358.541 h1.57
  text "C2M10" at 459.74,357.779 h1.57
  text "R4M2" at 535.148,357.525 h1.57
  text "C2M9" at 475.305,356.56 h1.57
  text "16" at 439.227,354.985 h1.57
  text "13" at 400.822,354.731 h1.57
  text "C4M5" at 538.856,352.191 h1.57
  text "14" at 400.67,349.905 h1.57
  text "17" at 439.481,349.804 h1.57
  text "C4M6" at 538.378,349.397 h1.57
  text "C3M11" at 490.779,349.346 h1.57
  text "LINK" at 408.889,347.96 h1.57
  text "SPEED" at 427.025,347.924 h1.57
BREAK-DUMMY:
  circle w0.025: c518.592,360.35 r3.703
  lines w0.025: 433.464,358.839 ccw(c433.465,360.109) 433.489,361.378 ; 455.054,358.839 ccw(c455.055,360.109) 455.079,361.378 ; 482.867,358.839 ccw(c482.868,360.109) 482.892,361.378 ; 488.607,358.838 cw(c488.582,360.108) 487.312,360.108 cw(c488.582,360.108) 488.607,361.378 ; 520.459,360.108 ccw(c521.729,360.108) 521.754,358.838 ; 543.23,371.983 531.8,359.918 522.275,359.918 ; 437.909,360.108 cw(c439.179,360.108) 439.204,361.378 ccw(c439.179,360.108) 437.909,360.108 ; 437.909,360.108 ccw(c439.179,360.108) 439.204,358.838 cw(c439.179,360.108) 437.909,360.108 ; 459.499,360.108 cw(c460.769,360.108) 460.794,361.378 ccw(c460.769,360.108) 459.499,360.108 ; 459.499,360.108 ccw(c460.769,360.108) 460.794,358.838 cw(c460.769,360.108) 459.499,360.108 ; 522.275,359.918 526.085,359.283 526.085,360.553 522.275,359.918 ; 425.803,433.375 425.803,438.376 548.03,438.376 548.03,433.375 425.803,433.375 ; 425.806,353.837 425.806,358.836 548.03,358.836 548.03,353.837 425.806,353.837
  text "DETAILS \"A\"" at 545.909,374.099 h3.17
  text "4 PLACES" at 545.986,368.384 h3.17
REFDES_MATRIX_BOT:
  lines w0.025: 413.106,361.389 543.585,361.389 ; 413.106,397.383 543.585,397.383 ; 413.106,433.375 543.585,433.375 ; 425.806,348.689 425.806,446.075 ; 452.077,348.689 452.077,446.075 ; 478.345,348.689 478.345,446.075 ; 504.614,348.689 504.614,446.075 ; 530.885,348.689 530.885,446.075
  text "K" at 413.106,451.371 h0.79
  text "K" at 543.585,451.371 h0.79
  text "4" at 438.94,446.075 h0.79
  text "3" at 465.211,446.075 h0.79
  text "2" at 491.48,446.075 h0.79
  text "1" at 517.751,446.075 h0.79
  text "0" at 544.02,446.075 h0.79
  text "L" at 413.106,415.379 h0.79
  text "L" at 543.585,415.379 h0.79
  text "M" at 413.106,379.385 h0.79
  text "M" at 543.585,379.385 h0.79
  text "4" at 438.94,348.689 h0.79
  text "3" at 465.211,348.689 h0.79
  text "2" at 491.48,348.689 h0.79
  text "1" at 517.751,348.689 h0.79
  text "0" at 544.02,348.689 h0.79
REFDES_MATRIX_TOP:
  lines w0.025: 413.106,361.389 543.585,361.389 ; 413.106,397.383 543.585,397.383 ; 413.106,433.375 543.585,433.375 ; 425.806,348.689 425.806,446.075 ; 452.077,348.689 452.077,446.075 ; 478.345,348.689 478.345,446.075 ; 504.614,348.689 504.614,446.075 ; 530.885,348.689 530.885,446.075
  text "#" at 413.106,451.371 h0.79
  text "#" at 543.585,451.371 h0.79
  text "0" at 412.671,446.075 h0.79
  text "1" at 438.94,446.075 h0.79
  text "2" at 465.211,446.075 h0.79
  text "3" at 491.48,446.075 h0.79
  text "4" at 517.751,446.075 h0.79
  text "A" at 413.106,415.379 h0.79
  text "A" at 543.585,415.379 h0.79
  text "B" at 413.106,379.385 h0.79
  text "B" at 543.585,379.385 h0.79
  text "0" at 412.671,348.689 h0.79
  text "1" at 438.94,348.689 h0.79
  text "2" at 465.211,348.689 h0.79
  text "3" at 491.48,348.689 h0.79
  text "4" at 517.751,348.689 h0.79
TITLE_BLOCK:
  drawing of 7878 lines, arcs and shapes, not listed
  text "DATE" at 840.765,124.689 h2.39
  text "SIGNATURE" at 808.126,124.536 h2.39
  text "UNLESS OTHERWISE SPECIFIED:" at 728.624,124.282 h2.39
  text "DRN BY" at 794.156,116.916 h2.39
  text "1. DIMENSIONS ARE IN INCHES" at 728.624,116.662 h2.39
  text "CHK BY" at 794.156,109.296 h2.39
  text "2. BREAK ALL SHARP EDGES" at 728.624,109.042 h2.39
  text "TITLE" at 858.926,106.756 h2.39
  text "ENGR" at 794.156,102.946 h2.39
  text "3. DO NOT SCALE DRAWING" at 728.624,101.422 h2.39
  text "APVD" at 794.156,99.136 h2.39
  text "4. TOLERANCES" at 728.624,93.802 h2.39
  text "APVD" at 794.156,92.786 h2.39
  text "ANGLES +/-" at 728.624,86.182 h2.39
  text "APVD" at 794.156,85.166 h2.39
  text "SIZE" at 858.926,82.626 h2.39
  text "DCLC" at 871.626,82.626 h2.39
  text "DOCUMENT NUMBER" at 912.266,82.626 h2.39
  text "REV" at 977.036,82.626 h2.39
  text "CLASS CODE" at 884.834,82.118 h2.39
  text "SCALE" at 857.656,68.656 h2.39
  text "SHEET" at 945.286,68.656 h2.39
  text "OF" at 968.146,68.656 h2.39
PRI_NORTH:
  lines w0.025: 460.337,546.252 462.242,546.887 ; 460.337,546.252 462.242,545.617 ; 460.337,546.252 462.242,546.887 ; 460.337,546.252 462.242,545.617 ; 460.337,547.522 462.242,548.157 ; 460.337,547.522 462.242,546.887 ; 460.337,547.522 462.242,548.157 ; 460.337,547.522 462.242,546.887 ; 460.337,548.792 462.242,549.427 ; 460.337,548.792 462.242,548.157 ; 460.337,548.792 462.242,549.427 ; 460.337,548.792 462.242,548.157 ; 461.607,550.062 462.242,550.697 ; 461.607,550.062 462.242,549.427 ; 461.607,550.062 462.242,550.697 ; 461.607,550.062 462.242,549.427 ; 462.242,545.617 473.037,545.617 ; 462.242,545.617 473.037,545.617 ; 462.242,550.697 473.037,550.697 ; 462.242,550.697 473.037,550.697 ; 473.037,543.077 473.037,545.617 ; 473.037,543.077 486.372,548.157 ; 473.037,543.077 473.037,545.617 ; 473.037,543.077 486.372,548.157 ; 473.037,545.617 473.037,550.697 ; 473.037,545.617 473.037,550.697 ; 473.037,550.697 473.037,553.237 ; 473.037,550.697 473.037,553.237 ; 473.037,553.237 486.372,548.157 ; 473.037,553.237 486.372,548.157
  lines w0.127: 462.623,538.302 472.783,522.427 ; 462.623,538.302 472.783,522.427 ; 462.623,538.302 462.623,522.427 462.623,538.302 ; 472.783,522.427 472.783,538.302 472.783,522.427
LAYER5:
  text "LAYER 5 (GND PLANE)" at 385.575,272.961 h2.54
  text "5" at 407.571,259.727 h2.54
PASTE_SECONDARY_TL:
  text "DEV,PB,SPB," at 390.439,284.411 h3.17
  text "SOLDER PASTE (SECONDARY)" at 384.686,272.922 h2.54
  text "-" at 426.888,266.59 h2.39
  text "1" at 408.003,259.994 h2.54
  text "1" at 424.995,259.816 h2.54
SM_PRIMARY_TL:
  text "DEV,PB,SMT," at 392.318,283.89 h3.17
  text "SOLDER MASK (PRIMARY)" at 383.936,273.075 h2.54
  text "-" at 426.138,266.743 h2.39
  text "1" at 407.254,260.146 h2.54
  text "1" at 423.611,259.841 h2.54
SM_SECONDARY_TL:
  text "DEV,PB,SMB," at 392.483,284.513 h3.17
  text "SOLDER MASK (SECONDARY)" at 383.327,273.227 h2.54
  text "-" at 425.529,266.895 h2.39
  text "1" at 406.644,260.299 h2.54
  text "1" at 423.827,260.291 h2.54
LEGEND_PRIMARY_TL:
  text "DEV,PB, SST," at 388.165,284.716 h3.17
  text "SILKSCREEN (PRIMARY)" at 383.174,272.922 h2.54
  text "-" at 425.376,266.59 h2.39
  text "1" at 406.492,259.994 h2.54
  text "1" at 423.103,259.689 h2.54
LEGEND_SEC_TL:
  text "DEV,PBA,SSB," at 386.768,284.36 h3.17
  text "SILKSCREEN(SECONDARY)" at 383.479,272.77 h2.54
  text "-" at 425.681,266.438 h2.39
  text "1" at 406.796,259.841 h2.54
  text "1" at 423.789,259.664 h2.54
LAYER4:
  text "LAYER 4 (SIGNAL/POWER)" at 383.238,272.973 h2.54
  text "4" at 406.555,260.045 h2.54
PASTE_PRIMARY_TL:
  text "DEV,PB,SPT," at 390.718,284.411 h3.17
  text "SOLDER PASTE (PRIMARY)" at 383.619,272.922 h2.54
  text "-" at 425.821,266.59 h2.39
  text "1" at 406.936,259.994 h2.54
  text "1" at 423.675,259.689 h2.54
CONSTRUCTION:
  drawing of 890 lines, arcs and shapes, not listed
  text "PROCESS FLOW" at 444.233,508.533 h4.78
  text "PROCESS FLOW" at 444.233,508.533 h4.78
  text "WAVE & SMT" at 447.053,501.574 h4.78
  text "WAVE & SMT" at 447.053,501.574 h4.78
  text "116" at 495.198,460.859 h1.27 r90
  text "116" at 495.198,460.859 h1.27 r90
  text "100.1" at 479.323,458.167 h1.27 r90
  text "100.1" at 479.323,458.167 h1.27 r90
  text "4565.9370" at 495.198,446.915 h1.27 r90
  text "4565.9370" at 495.198,446.915 h1.27 r90
  text "1. THE VIAS WITHIN THE AREAS BELOW SHOULD BE PLUGGED FROM BOTTOM SIDE" at 427.685,445.008 h2.03
  text "3940.9370" at 479.323,444.222 h1.27 r90
  text "3940.9370" at 479.323,444.222 h1.27 r90
  text "2. THE VIAS WITHIN THE AREAS BELOW SHOULD BE UN-PLUGGED FROM TOP SIDE" at 427.787,439.75 h2.03
  text "2587.9370" at 514.034,433.07 h1.27
  text "2587.9370" at 514.034,433.07 h1.27
  text "65.7" at 527.979,433.07 h1.27
  text "65.7" at 527.979,433.07 h1.27
  text "2120.9370" at 515.05,421.208 h1.27
  text "2120.9370" at 515.05,421.208 h1.27
  text "53.9" at 528.995,421.208 h1.27
  text "53.9" at 528.995,421.208 h1.27
  text "36.142" at 427.328,399.365 h0.79
  text "36.142" at 429.578,399.365 h0.79
  text "36.142" at 431.828,399.365 h0.79
  text "36.142" at 434.078,399.365 h0.79
  text "36.142" at 436.328,399.365 h0.79
  text "36.142" at 438.578,399.365 h0.79
  text "19.685" at 440.078,397.865 h0.79
  text "19.685" at 442.328,397.865 h0.79
  text "19.685" at 444.578,397.865 h0.79
  text "19.685" at 446.828,397.865 h0.79
  text "19.685" at 449.078,397.865 h0.79
  text "19.685" at 451.328,397.865 h0.79
  text "0.92" at 428.115,397.79 h0.79
  text "0.92" at 430.365,397.79 h0.79
  text "0.92" at 432.615,397.79 h0.79
  text "0.92" at 434.865,397.79 h0.79
  text "0.92" at 437.115,397.79 h0.79
  text "0.92" at 439.365,397.79 h0.79
  text "36.142" at 467.578,397.365 h0.79
  text "0.5" at 441.26,396.29 h0.79
  text "0.5" at 443.51,396.29 h0.79
  text "0.5" at 445.759,396.29 h0.79
  text "0.5" at 448.01,396.29 h0.79
  text "0.5" at 450.26,396.29 h0.79
  text "0.5" at 452.51,396.29 h0.79
  text "19.685" at 480.328,395.865 h0.79
  text "0.92" at 468.365,395.79 h0.79
  text "75.512" at 424.078,395.615 h0.79
  text "75.512" at 426.328,395.615 h0.79
  text "75.512" at 428.578,395.615 h0.79
  text "75.512" at 430.828,395.615 h0.79
  text "75.512" at 433.078,395.615 h0.79
  text "75.512" at 435.328,395.615 h0.79
  text "19.685" at 440.328,395.115 h0.79
  text "19.685" at 442.578,395.115 h0.79
  text "19.685" at 444.828,395.115 h0.79
  text "19.685" at 447.078,395.115 h0.79
  text "19.685" at 449.328,395.115 h0.79
  text "19.685" at 451.578,395.115 h0.79
  text "36.142" at 471.031,394.817 h0.79
  text "0.5" at 481.509,394.29 h0.79
  text "1.92" at 424.865,394.04 h0.79
  text "1.92" at 427.115,394.04 h0.79
  text "1.92" at 429.365,394.04 h0.79
  text "1.92" at 431.615,394.04 h0.79
  text "1.92" at 433.865,394.04 h0.79
  text "1.92" at 436.115,394.04 h0.79
  text "75.512" at 464.328,393.615 h0.79
  text "0.5" at 441.51,393.54 h0.79
  text "0.5" at 443.76,393.54 h0.79
  text "0.5" at 446.009,393.54 h0.79
  text "0.5" at 448.259,393.54 h0.79
  text "0.5" at 450.51,393.54 h0.79
  text "0.5" at 452.76,393.54 h0.79
  text "19.685" at 483.781,393.317 h0.79
  text "0.92" at 471.818,393.242 h0.79
  text "36.142" at 467.578,393.115 h0.79
  text "19.685" at 480.578,393.115 h0.79
  text "1.92" at 465.115,392.04 h0.79
  text "36.142" at 471.031,391.769 h0.79
  text "0.5" at 484.962,391.742 h0.79
  text "19.685" at 480.328,391.615 h0.79
  text "0.92" at 468.365,391.54 h0.79
  text "0.5" at 481.76,391.54 h0.79
  text "75.512" at 467.781,391.067 h0.79
  text "19.685" at 484.031,390.567 h0.79
  text "19.685" at 483.781,390.269 h0.79
  text "0.92" at 471.818,390.194 h0.79
  text "0.5" at 481.509,390.04 h0.79
  text "1.92" at 468.568,389.492 h0.79
  text "75.512" at 464.328,389.365 h0.79
  text "0.5" at 485.212,388.992 h0.79
  text "19.685" at 480.578,388.865 h0.79
  text "0.5" at 484.962,388.694 h0.79
  text "75.512" at 467.781,388.019 h0.79
  text "1.92" at 465.115,387.79 h0.79
  text "19.685" at 484.031,387.519 h0.79
  text "0.5" at 481.76,387.29 h0.79
  text "1.92" at 468.568,386.444 h0.79
  text "0.5" at 485.212,385.944 h0.79
  text "36.142" at 453.378,381.749 h0.79
  text "36.142" at 455.791,381.749 h0.79
  text "0.92" at 454.165,380.174 h0.79
  text "0.92" at 456.578,380.174 h0.79
  text "19.685" at 465.628,377.331 h0.79
  text "19.685" at 468.041,377.331 h0.79
  text "19.685" at 466.378,377.081 h0.79
  text "19.685" at 468.791,377.081 h0.79
  text "75.512" at 451.046,376.081 h0.79
  text "75.512" at 453.459,376.081 h0.79
  text "0.5" at 466.809,375.756 h0.79
  text "0.5" at 469.222,375.756 h0.79
  text "0.5" at 467.559,375.506 h0.79
  text "0.5" at 469.972,375.506 h0.79
  text "1.92" at 451.833,374.506 h0.79
  text "1.92" at 454.246,374.506 h0.79
  text "0" at 350.217,367.336 h1.27
  text "0" at 350.217,367.336 h1.27
  text "0" at 353.798,367.336 h1.27
  text "0" at 353.798,367.336 h1.27
  text "-A-" at 338.063,366.913 h3.17
  text "246.0630" at 339.816,361.086 h1.27
  text "246.0630" at 339.816,361.086 h1.27
  text "6.3" at 352.465,361.086 h1.27
  text "6.3" at 352.465,361.086 h1.27
  text "0" at 379.224,349.658 h1.27 r90
  text "0" at 379.224,349.658 h1.27 r90
  text "0" at 379.224,346.077 h1.27 r90
  text "0" at 379.224,346.077 h1.27 r90
  text "6.3" at 372.974,344.134 h1.27 r90
  text "6.3" at 372.974,344.134 h1.27 r90
  text "-B-" at 379.999,334.013 h3.17 r90
  text "246.0630" at 372.974,331.484 h1.27 r90
  text "246.0630" at 372.974,331.484 h1.27 r90
  text "DEV,PB," at 401.843,284.556 h3.17
  text "LAYER 4 (SECONDARY SIDE)" at 383.009,272.922 h2.54
  text "LAYER 3 (PWR/GND PLANE)" at 383.466,272.922 h2.54
  text "LAYER 2 (GND PLANE)" at 386.222,272.922 h2.54
  text "LAYER 1 (PRIMARY SIDE)" at 386.908,272.724 h2.54
  text "4" at 406.326,259.994 h2.54
  text "3" at 406.784,259.994 h2.54
  text "2" at 409.54,259.994 h2.54
  text "4" at 426.405,259.994 h2.54
  text "1" at 407.711,259.935 h2.54

## Text inside footprints (layer, text, board x,y; h text height)
C1: CONSTRUCTION "WIDTH" at 475.38,410.248 h0.79 r180; CONSTRUCTION "MAX" at 474.403,408.33 h0.79 r180; CONSTRUCTION "REV3" at 472.85,409.803 h0.79 r90; CONSTRUCTION "2" at 473.094,410.563 h0.64 r180; CONSTRUCTION "1" at 473.094,409.359 h0.64 r180
C3: CONSTRUCTION "MAX" at 474.827,416.716 h1.6; CONSTRUCTION "WIDTH" at 474.367,415.886 h1.6; CONSTRUCTION "1" at 474.949,416.721 h1.6; CONSTRUCTION "2" at 474.949,416.188 h1.6
C4: CONSTRUCTION "06-16-10" at 475.247,419.862 h0.79; CONSTRUCTION "REV1" at 475.247,422.402 h0.79; CONSTRUCTION "SMC0201" at 475.247,423.799 h0.79; CONSTRUCTION "2 PLCS" at 489.852,419.862 h0.79; CONSTRUCTION "R13X12_RND" at 489.766,421.175 h0.79; CONSTRUCTION "H. NGUYEN" at 475.306,421.128 h0.79; CONSTRUCTION "0.53" at 480.505,411.823 h0.79; CONSTRUCTION "0.33" at 474.155,410.172 h0.79; CONSTRUCTION "0.63" at 470.853,414.998 h0.79; CONSTRUCTION "2" at 478.181,414.274 h0.64; CONSTRUCTION "1" at 477.648,414.274 h0.64
C5: CONSTRUCTION "2" at 415.335,393.332 h0.64; CONSTRUCTION "1" at 415.335,394.221 h0.64
C6: CONSTRUCTION "MAX" at 418.796,393.724 h1.6 r180; CONSTRUCTION "WIDTH" at 419.256,394.554 h1.6 r180; CONSTRUCTION "1" at 417.394,393.718 h1.6 r180; CONSTRUCTION "2" at 417.394,394.252 h1.6 r180
C8: CONSTRUCTION "2" at 416.794,393.728 h0.64; CONSTRUCTION "1" at 416.794,394.617 h0.64
C9: CONSTRUCTION "MAX" at 482.066,371.889 h1.6; CONSTRUCTION "WIDTH" at 481.606,371.058 h1.6; CONSTRUCTION "1" at 482.188,371.894 h1.6; CONSTRUCTION "2" at 482.188,371.36 h1.6
C10: CONSTRUCTION "MAX" at 481.09,363.866 h1.6 r180; CONSTRUCTION "WIDTH" at 481.549,364.696 h1.6 r180; CONSTRUCTION "1" at 479.688,363.86 h1.6 r180; CONSTRUCTION "2" at 479.688,364.394 h1.6 r180
C11: CONSTRUCTION "2" at 463.196,399.221 h0.64 r270; CONSTRUCTION "1" at 464.085,399.221 h0.64 r270
C12: CONSTRUCTION "MAX" at 466.101,398.726 h1.6 r180; CONSTRUCTION "WIDTH" at 466.56,399.557 h1.6 r180; CONSTRUCTION "1" at 464.699,398.721 h1.6 r180; CONSTRUCTION "2" at 464.699,399.255 h1.6 r180
C13: CONSTRUCTION "2" at 469.335,402.36 h0.64 r180; CONSTRUCTION "1" at 469.335,401.471 h0.64 r180
C14: CONSTRUCTION "MAX" at 468.077,401.716 h1.6; CONSTRUCTION "WIDTH" at 467.617,400.886 h1.6; CONSTRUCTION "1" at 468.199,401.721 h1.6; CONSTRUCTION "2" at 468.199,401.188 h1.6
C15: CONSTRUCTION "MAX" at 446.094,402.959 h1.6 r90; CONSTRUCTION "WIDTH" at 446.924,402.5 h1.6 r90; CONSTRUCTION "1" at 445.449,403.721 h1.6 r90; CONSTRUCTION "2" at 445.982,403.721 h1.6 r90
C16: CONSTRUCTION "MAX" at 443.844,402.959 h1.6 r90; CONSTRUCTION "WIDTH" at 444.674,402.5 h1.6 r90; CONSTRUCTION "1" at 443.199,403.721 h1.6 r90; CONSTRUCTION "2" at 443.732,403.721 h1.6 r90
C17: CONSTRUCTION "MAX" at 441.594,402.959 h1.6 r90; CONSTRUCTION "WIDTH" at 442.424,402.5 h1.6 r90; CONSTRUCTION "1" at 440.949,403.721 h1.6 r90; CONSTRUCTION "2" at 441.482,403.721 h1.6 r90
C18: CONSTRUCTION "MAX" at 439.344,402.959 h1.6 r90; CONSTRUCTION "WIDTH" at 440.174,402.5 h1.6 r90; CONSTRUCTION "1" at 438.699,403.721 h1.6 r90; CONSTRUCTION "2" at 439.232,403.721 h1.6 r90
C19: CONSTRUCTION "MAX" at 437.094,402.959 h1.6 r90; CONSTRUCTION "WIDTH" at 437.924,402.5 h1.6 r90; CONSTRUCTION "1" at 436.449,403.721 h1.6 r90; CONSTRUCTION "2" at 436.982,403.721 h1.6 r90
C20: CONSTRUCTION "MAX" at 434.844,402.959 h1.6 r90; CONSTRUCTION "WIDTH" at 435.674,402.5 h1.6 r90; CONSTRUCTION "1" at 434.199,403.721 h1.6 r90; CONSTRUCTION "2" at 434.732,403.721 h1.6 r90
C21: CONSTRUCTION "MAX" at 435.985,411.024 h1.6 r90; CONSTRUCTION "WIDTH" at 436.816,410.565 h1.6 r90; CONSTRUCTION "1" at 435.34,411.786 h1.6 r90; CONSTRUCTION "2" at 435.873,411.786 h1.6 r90
C22: CONSTRUCTION "MAX" at 436.654,416.034 h1.6 r270; CONSTRUCTION "WIDTH" at 435.823,416.494 h1.6 r270; CONSTRUCTION "1" at 436.019,415.272 h1.6 r270; CONSTRUCTION "2" at 435.485,415.272 h1.6 r270
C23: CONSTRUCTION "MAX" at 434.844,402.254 h1.6 r90; CONSTRUCTION "WIDTH" at 435.674,401.795 h1.6 r90; CONSTRUCTION "1" at 434.199,403.016 h1.6 r90; CONSTRUCTION "2" at 434.732,403.016 h1.6 r90
C24: CONSTRUCTION "MAX" at 437.094,402.254 h1.6 r90; CONSTRUCTION "WIDTH" at 437.924,401.795 h1.6 r90; CONSTRUCTION "1" at 436.449,403.016 h1.6 r90; CONSTRUCTION "2" at 436.982,403.016 h1.6 r90
C25: CONSTRUCTION "MAX" at 446.094,402.254 h1.6 r90; CONSTRUCTION "WIDTH" at 446.924,401.795 h1.6 r90; CONSTRUCTION "1" at 445.449,403.016 h1.6 r90; CONSTRUCTION "2" at 445.982,403.016 h1.6 r90